# Altium PCB Disco Break Out Board.PcbDoc
Units mil, origin at the board's own origin, x right, y up, seen from the top; angles counter-clockwise.
Board outline 5620.27 x 3065.15 mil, 2 copper layers (Top Layer, Bottom Layer); 79 components, 55 nets, 280 pads, 123 vias.
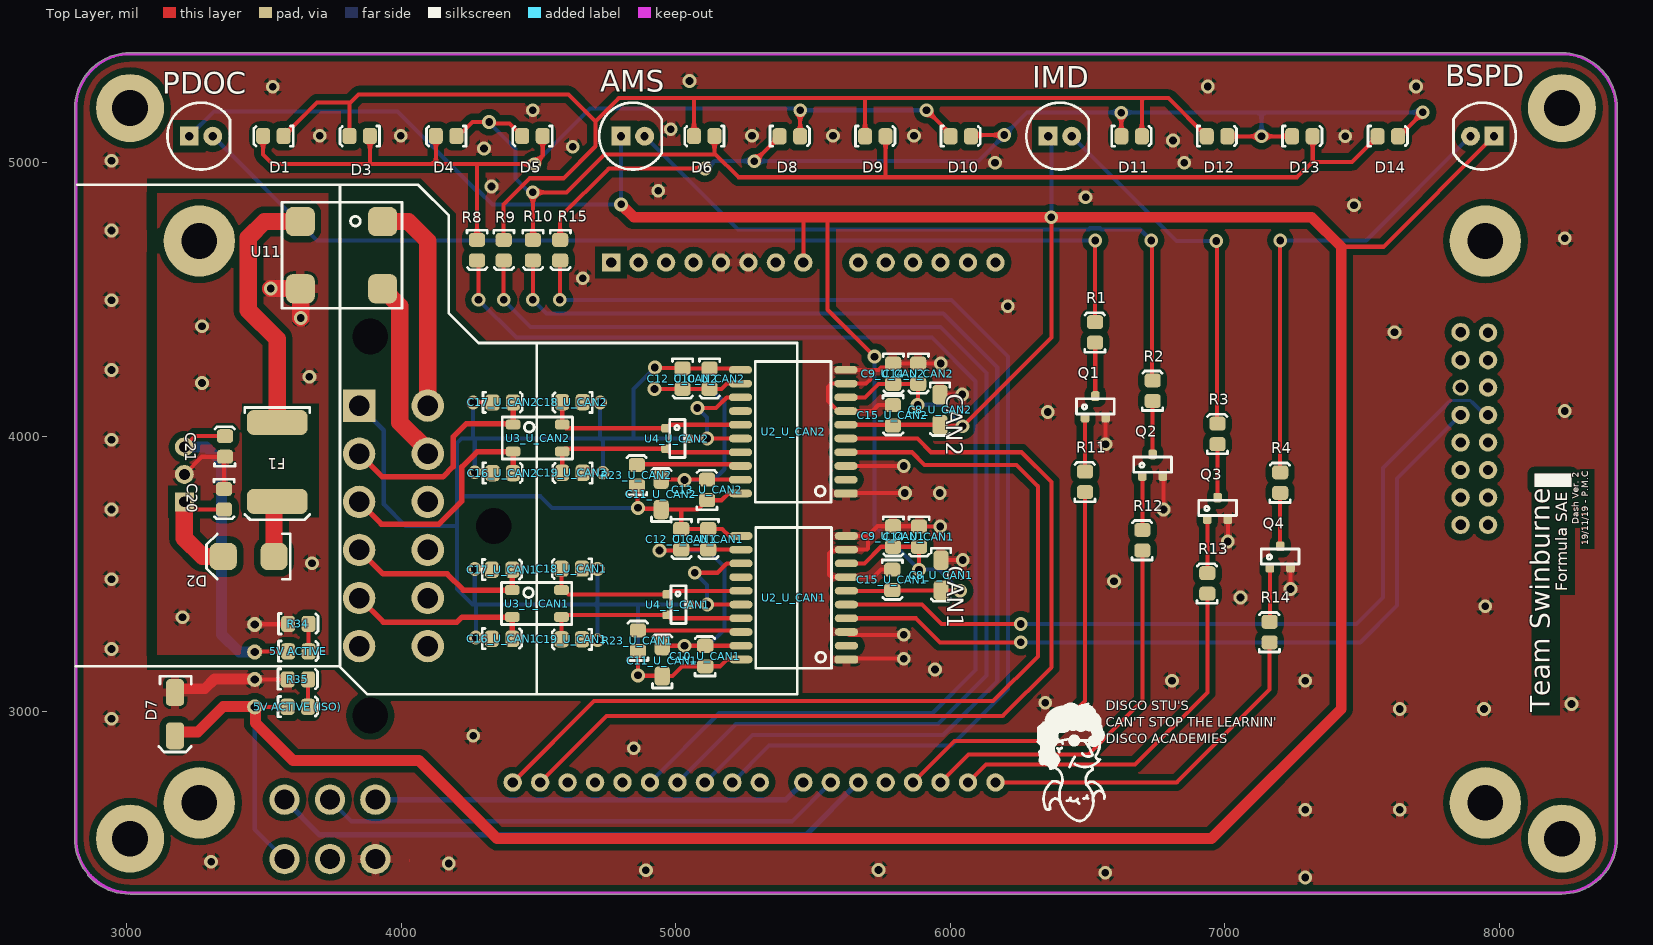
[diagram p0: Top Layer view]
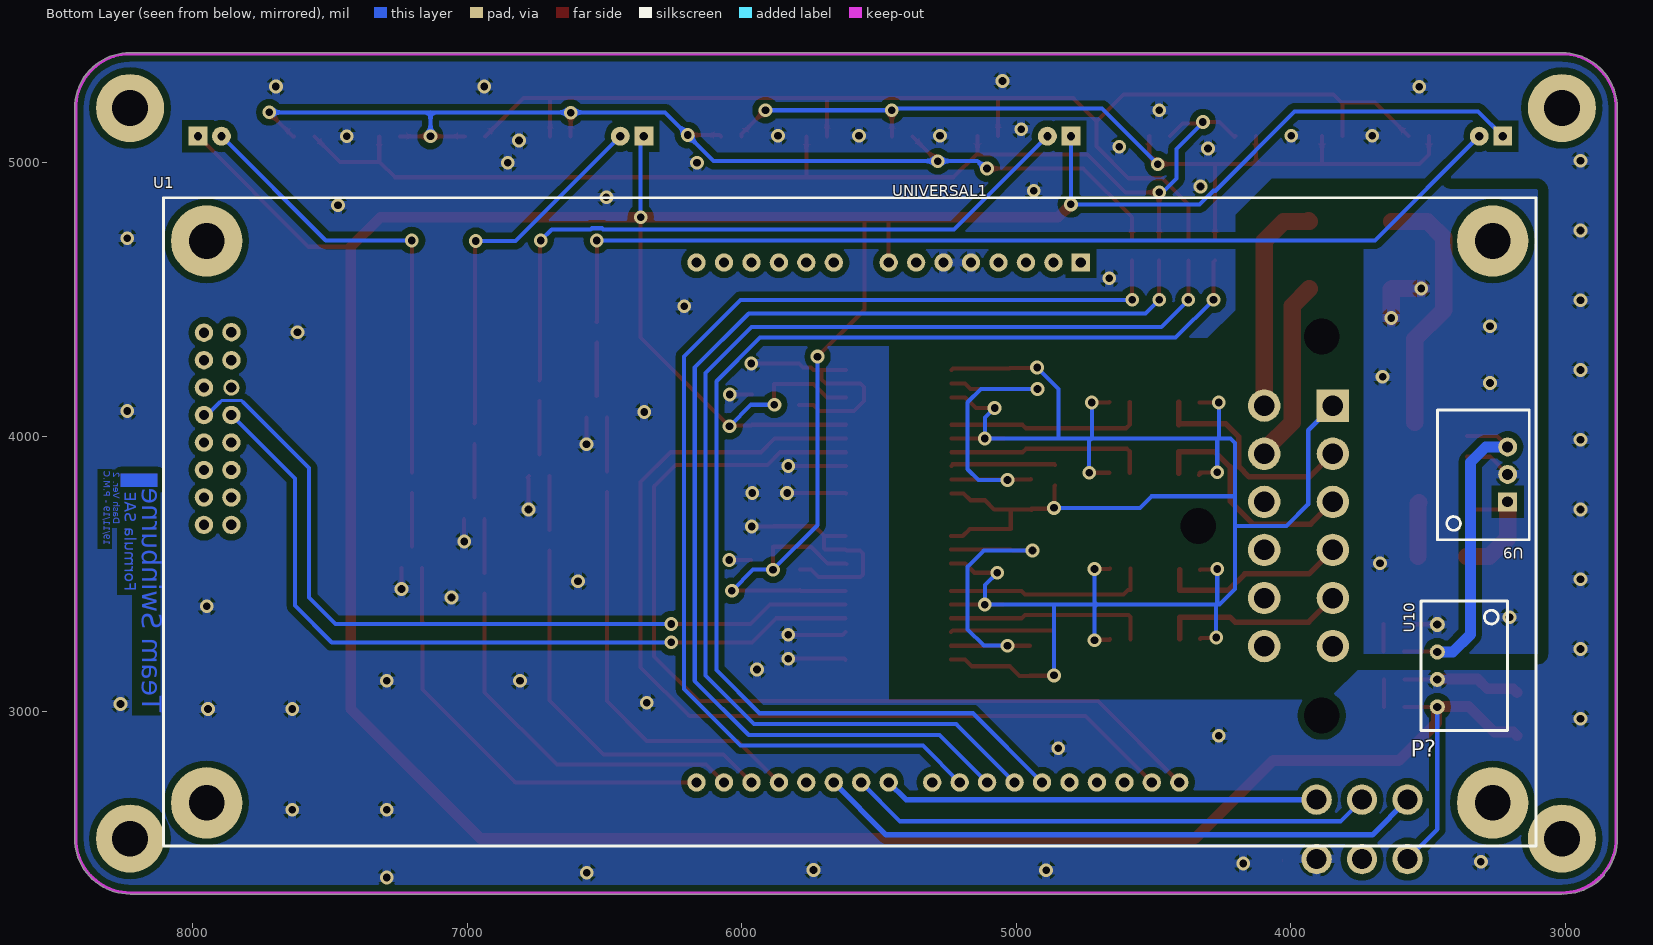
[diagram p1: Bottom Layer view, seen from below]

## Layer stack, top to bottom
Top Solder: solder mask 0.4, Solder Resist, Dk 3.5
Top Layer: signal copper 1.4
Dielectric 1: dielectric 12.6, FR-4, Dk 4.8
Bottom Layer: signal copper 1.4
Bottom Solder: solder mask 0.4, Solder Resist, Dk 3.5

## Board outline
2859.24,2398.85 cw(c2862.93,2402.24) 2858.35,2404.29 cw(c3011.81,2535.43) 2810.55,2519.76 cw(c2814.96,2522.15) 2809.95,2522.15 2809.95,5196.85 cw(c3011.81,5196.85) 3011.81,5398.72 8228.35,5398.72 cw(c8228.35,5196.85) 8429.6,5212.56 cw(c8425.2,5210.16) 8430.21,5210.16 8430.21,2535.43 cw(c8228.35,2535.43) 8228.35,2333.57 ccw(c8228.35,2338.58) 8228.43,2333.57 8228.35,2333.57 3011.81,2333.57 cw(c3011.81,2535.43) 3008.4,2333.6 cw(c3007.87,2338.58) 3007.87,2333.57 cw(c3007.87,2535.43)

## Design rules (kind name [scope] priority, off if disabled: settings)
Clearance [All] p1: gap=11.81 ignorepadtopadclearanceinfootprint=TRUE except(0: Arc-Hole Track-Hole SMDPad-Hole THPad-Hole Via-Hole Fill-Hole Poly-Hole Region-Hole Text-Hole; 23.62: Arc-Poly Track-Poly SMDPad-Poly THPad-Poly Via-Poly Fill-Poly; 39.37: Poly-Poly)
Height [All] p1: minheight=0 maxheight=1968.5 prefheight=500
PlaneConnect [All] p1: planeconnectstyle=Relief reliefexpansion=20 reliefentries=4 reliefconductorwidth=31.5 reliefairgap=10
PolygonConnect [All] p1: connectstyle=Relief reliefconductorwidth=31.5 reliefentries=4 polygonreliefangle="90 Angle" airgapwidth=10
RoutingVias [All] p1: holewidth=28 width=50 viastyle="Through Hole" minholewidth=28 minwidth=50 maxholewidth=28 maxwidth=50
SolderMaskExpansion [All] p1: expansion=4
Width [All] p1: maxlimit=118.11 minlimit=11.81 preferedwidth=19.68
28 further rules are at their usual default settings.

## Classes and differential pairs
channel class CAN: U_CAN1 U_CAN2
component class U_Power: "5V ACTIVE" "5V ACTIVE (ISO)" C20 C21 D2 D7 F1 R34 R35 U9 U11
component class U_CAN2: C8_U_CAN2 C9_U_CAN2 C10_U_CAN2 C11_U_CAN2 C12_U_CAN2 C13_U_CAN2 C14_U_CAN2 C15_U_CAN2 C16_U_CAN2 C17_U_CAN2 C18_U_CAN2 C19_U_CAN2 R23_U_CAN2 U2_U_CAN2 U3_U_CAN2 U4_U_CAN2
component class U_CAN1: C8_U_CAN1 C9_U_CAN1 C10_U_CAN1 C11_U_CAN1 C12_U_CAN1 C13_U_CAN1 C14_U_CAN1 C15_U_CAN1 C16_U_CAN1 C17_U_CAN1 C18_U_CAN1 C19_U_CAN1 R23_U_CAN1 U2_U_CAN1 U3_U_CAN1 U4_U_CAN1
component class "Top Level": AMS BSPD D1 D3 D4 D5 D6 D8 D9 D10 D11 D12 D13 D14 IMD P? PDOC Q1 Q2 Q3 Q4 R1 R2 R3 R4 R8 R9 R10 R11 R12 R13 R14 R15 U1

## Components (designator, comment, footprint, x,y, rotation, side; value= is the part's Value field where it differs from the comment)
"5V ACTIVE" "LED" "0805 LED" 3625.2,3218.59 r0 top
"5V ACTIVE (ISO)" "LED" "0805 LED" 3623.46,3016.53 r0 top
AMS "RED" "5MM LED" 4457.29,4984.25 r0 top
BSPD "RED" "5MM LED" 8324.39,5204.72 r180 top
C8_U_CAN1 "10nF" 1206 5966.54,3447.74 r270 top (schematic designator C8)
C8_U_CAN2 "10nF" 1206 5962.6,4050.79 r270 top (schematic designator C8)
C9_U_CAN1 "100nF" 0805 5792.73,3635.52 r270 top (schematic designator C9)
C9_U_CAN2 "100nF" 0805 5792.9,4228.67 r270 top (schematic designator C9)
C10_U_CAN1 "100nF" 0805 5106.11,3201.03 r90 top (schematic designator C10)
C10_U_CAN2 "100nF" 0805 5124.02,4210.53 r270 top (schematic designator C10)
C11_U_CAN1 "10nF" 1206 4950.79,3230.09 r90 top (schematic designator C11)
C11_U_CAN2 "10nF" 1206 4946.85,3836.52 r90 top (schematic designator C11)
C12_U_CAN1 "10uF" 0805 5020.72,3625.67 r270 top (schematic designator C12)
C12_U_CAN2 "10uF" 0805 5025.59,4210.53 r270 top (schematic designator C12)
C13_U_CAN1 "100nF" 0805 5119.14,3625.67 r270 top (schematic designator C13)
C13_U_CAN2 "100nF" 0805 5113.14,3805.99 r90 top (schematic designator C13)
C14_U_CAN1 "10uF" 0805 5886.76,3634.75 r270 top (schematic designator C14)
C14_U_CAN2 "10uF" 0805 5883.99,4228.67 r270 top (schematic designator C14)
C15_U_CAN1 "100nF" 0805 5789.37,3477.27 r270 top (schematic designator C15)
C15_U_CAN2 "100nF" 0805 5791.87,4076.68 r270 top (schematic designator C15)
C16_U_CAN1 "100pF" 0805 4367.57,3264.43 r0 top (schematic designator C16)
C16_U_CAN2 "100pF" 0805 4370.12,3867.79 r0 top (schematic designator C16)
C17_U_CAN1 "100pF" 0805 4367.57,3515.91 r0 top (schematic designator C17)
C17_U_CAN2 "100pF" 0805 4370.12,4125.19 r0 top (schematic designator C17)
C18_U_CAN1 "100pF" 0805 4620.56,3517.91 r180 top (schematic designator C18)
C18_U_CAN2 "100pF" 0805 4623.11,4124.36 r180 top (schematic designator C18)
C19_U_CAN1 "100pF" 0805 4620.56,3260.6 r180 top (schematic designator C19)
C19_U_CAN2 "100pF" 0805 4623.11,3866.96 r180 top (schematic designator C19)
C20 "10uF" 0805 3355.31,3771.26 r270 top
C21 "22uF" 0805 3356.51,3964.57 r90 top
D1 "Red" "0805 LED" 3533.4,5094.07 r180 top
D2 "SD560BTR" "SMB Diode" 3526.57,3562.99 r180 top
D3 "Red" "0805 LED" 3848.05,5094.07 r180 top
D4 "Red" "0805 LED" 4162.7,5094.07 r180 top
D5 "Red" "0805 LED" 4477.35,5094.07 r180 top
D6 "Red" "0805 LED" 5103.17,5094.07 r180 top
D7 "SMAZ5V6-13-F" "DI SMA Diode" 3175.62,3067.36 r270 top
D8 "Red" "0805 LED" 5416.26,5094.9 r0 top
D9 "Red" "0805 LED" 5727.44,5094.9 r0 top
D10 "Red" "0805 LED" 6038.62,5094.9 r0 top
D11 "Red" "0805 LED" 6660.98,5094.9 r0 top
D12 "Red" "0805 LED" 6972.16,5094.9 r0 top
D13 "Red" "0805 LED" 7283.34,5094.9 r0 top
D14 "Red" "0805 LED" 7594.52,5094.9 r0 top
F1 "0ZCF0200AF2C" 2920 3548.23,4051.18 r270 top
IMD "RED" "5MM LED" 6013.19,4984.25 r0 top
P? "39281063" 39281063 3740.16,2677.17 r180 bottom
PDOC "RED" "5MM LED" 2884.05,4984.25 r0 top
Q1 "BC817-16LT1" "ON SOT-23 BJT" 6528.32,4108.27 r0 top
Q2 "BC817-16LT1" "ON SOT-23 BJT" 6737.19,3895.67 r0 top
Q3 "BC817-16LT1" "ON SOT-23 BJT" 6973.82,3738.19 r0 top
Q4 "BC817-16LT1" "ON SOT-23 BJT" 7201.77,3561.02 r0 top
R1 "240R" 0805 6526.25,4380.12 r90 top
R2 "240R" 0805 6736.16,4167.52 r90 top
R3 "240R" 0805 6972.79,4010.04 r90 top
R4 "240R" 0805 7200.74,3832.88 r90 top
R8 "680R" 0805 4276.62,4678.66 r270 top
R9 "680R" 0805 4374.02,4678.66 r270 top
R10 "680R" 0805 4480.32,4678.66 r270 top
R11 "1k" 0805 6489.88,3835.48 r90 top
R12 "1k" 0805 6698.76,3622.88 r90 top
R13 "1k" 0805 6935.39,3465.4 r90 top
R14 "1k" 0805 7162.31,3288.24 r90 top
R15 "680R" 0805 4579.77,4678.66 r270 top
R23_U_CAN1 "0R" 0805 4861.17,3257.27 r90 top (schematic designator R23)
R23_U_CAN2 "0R" 0805 4857.24,3859.73 r90 top (schematic designator R23)
R34 "1.5k" 0805 3625.2,3318.59 r0 top
R35 "1.5k" 0805 3623.71,3116.53 r0 top
U1 "DISCO-F469NI" DISCO-F469NI 5606.72,3649.73 r270 bottom locked
U2_U_CAN1 "ADM3053" "AD SOIC-W 20" 5429.5,3412.96 r90 top (schematic designator U2)
U2_U_CAN2 "ADM3053" "AD SOIC-W 20" 5427.69,4017.92 r90 top (schematic designator U2)
U3_U_CAN1 "B82787C0104H002" "TDK 4-PC Pad" 4404.5,3441.02 r0 top (schematic designator U3)
U3_U_CAN2 "B82787C0104H002" "TDK 4-PC Pad" 4407.05,4043.89 r0 top (schematic designator U3)
U4_U_CAN1 "NUP2105L" "ON SOT-23" 5007.87,3387.8 r270 top (schematic designator U4)
U4_U_CAN2 "NUP2105L" "ON SOT-23" 5003.94,3992.92 r270 top (schematic designator U4)
U9 "R-78C5.0-1.0" "RECOM 3-SIP" 3209.65,3762.2 r90 bottom
U10 "RI-0505S" "RECOM 4-SIP" 3465.98,3165.2 r270 bottom
U11 "744272121" "Wurth 4-PC Pad" 3632.09,4538.58 r0 top
UNIVERSAL1 "DT13-12P" DT13-12P 4096.46,4112.6 r270 bottom

## Footprints (in the part's own frame and the unit in brackets; to place one, negate y for a bottom-side part, rotate by r counter-clockwise, add the part's x,y. Pads: shape width x height; smd on the part's side, far side on the other; paste and mask are expansions set on the pad)
"5MM LED" [mm]
  rect 1.75x1.75 hole 0.762: A(8.725,2.8)
  round 1.75 hole 0.762: K(10.9,2.8)
  silkscreen extent 6.7,-0.3 12.48,5.9, body extent 6.85,-0.15 12.36,5.75, height 8.9
0805 [mil]
  rrect50% 51.18x59.06 smd: 1(-37.87,-1.03) 2(36.93,-1.03)
  silkscreen extent -73,-37 71,37, body extent -39,-26 39,26, height 29
"0805 LED" [mil]
  rrect50% 51.18x59.06 smd: A(-37.87,-1.03) K(36.93,-1.03)
  silkscreen extent -73,-37 71,37, body extent -43,-25 35,25, height 39
1206 [mm]
  rrect50% 1.8x1.4 smd: 1(-2.6,0) 2(0.2,0)
  silkscreen extent -3.7,-0.9 1.2,0.9, body extent -2.9,-0.9 0.5,0.9, height 1.85
2920 [mm]
  rrect50% 2.3x5.6 smd: 1(0,0) 2(7.3,0)
  silkscreen extent -1.4,-3 9,3, body extent -0.34,-2.81 7.64,2.81, height 1.14
39281063 [mm]
  round 2.8 hole 1.85: 1(4.2,-5.5) 2(0,-5.5) 3(-4.2,-5.5) 4(4.2,0) 5(0,0) 6(-4.2,0)
  body extent -7.27,-7.8 7.33,3.2, height 12.8
"AD SOIC-W 20" [mil]
  rrect50% 28x85 smd: 1(-225,-192.02)
  oval 28x85 smd: 2(-175,-192.02) 3(-125,-192.02) 4(-75,-192.02) 5(-25,-192.02) 6(25,-192.02) 7(75,-192.02) 8(125,-192.02) 9(175,-192.02) 10(225,-192.02) 11(225,192.02) 12(175,191.98) 13(125,191.98) 14(75,191.98) 15(25,191.98) 16(-25,191.98) 17(-75,191.98) 18(-125,191.98) 19(-175,191.98) 20(-225,191.98)
  silkscreen extent -257,-138 256,138, body extent -260,-210 260,210, height 105
"DI SMA Diode" [mm]
  rrect50% 2.5x1.7 smd: A(0,0) K(4,0)
  silkscreen extent -1.5,-1.5 5.5,1.5, body extent -0.8,-1.46 4.79,1.46, height 2.35
DISCO-F469NI [mm]
  round 6.6 hole 3.3: 0(-27,-59.5) 0(-27,59.5) 0(25,-59.5) 0(25,59.5)
  rect 1.7x1.7 hole 0.95: 1(-25,21.391)
  round 1.7 hole 0.95: 2(-25,18.851) 3(-25,16.311) 4(-25,13.771) 5(-25,11.231) 6(-25,8.691) 7(-25,6.151) 8(-25,3.611) 9(-25,-1.469) 10(-25,-4.009) 11(-25,-6.549) 12(-25,-9.089) 13(-25,-11.629) 14(-25,-14.169) 15(23.103,30.499) 16(23.103,27.959) 17(23.103,25.419) 18(23.103,22.879) 19(23.103,20.339) 20(23.103,17.799) 21(23.103,15.259) 22(23.103,12.719) 23(23.103,10.179) 24(23.103,7.639) 25(23.103,3.611) 26(23.103,1.071) 27(23.103,-1.469) 28(23.103,-4.009) 29(23.103,-6.549) 30(23.103,-9.089) 31(23.103,-11.629) 32(23.103,-14.169) 33(-0.727,-57.213) 34(-3.267,-57.213) 35(-5.807,-57.213) 36(-8.347,-57.213) 37(-10.887,-57.213) 39(-15.967,-57.213) 40(-18.558,-57.213) 41(-18.507,-59.753) 42(-15.967,-59.753) 43(-13.427,-59.753) 44(-10.887,-59.753) 45(-8.347,-59.753) 46(-5.807,-59.753) 47(-3.267,-59.753) 48(-0.727,-59.753)
  round 1.5 hole 0.95: 38(-13.427,-57.213)
  silkscreen extent -31,-63.5 29,63.5, body extent -31.1,-64.69 29.95,63.89
DT13-12P [mm]
  round 3 hole 3.3 unplated: 0(-6.405,5.33) 0(11.135,-6.1) 0(28.675,5.33)
  rect 3x3 hole 1.9: 1(0,6.35)
  round 3 hole 1.9: 2(4.45,6.35) 3(8.9,6.35) 4(13.35,6.35) 5(17.8,6.35) 6(22.25,6.35) 7(22.25,0) 8(17.8,0) 9(13.35,0) 10(8.9,0) 11(4.45,0) 12(0,0)
  body extent -18.6,-34.7 40.6,9.5, height 37.63
"ON SOT-23" [mm] "NUP2105L"
  rrect50% 0.8x0.9 smd: 1(-0.95,-1) 2(0.95,-1) 3(0,1)
  silkscreen extent -1.75,-0.65 1.75,0.75, body extent -1.5,-1.27 1.5,1.28, height 1
"ON SOT-23 BJT" [mm] "NUP2105L"
  rrect50% 0.8x0.9 smd: B(-0.95,-1) C(0,1) E(0.95,-1)
  silkscreen extent -1.75,-0.65 1.75,0.75, body extent -1.5,-1.27 1.5,1.28, height 1
"RECOM 3-SIP" [mm] "12 to 42 Vdc In, 9 Vdc Out"
  rect 1.75x1.75 hole 1: 1(0,0)
  round 1.75 hole 1: 2(2.54,0) 3(5.08,0)
  silkscreen extent -3.5,-2 8.5,6.5, body extent -3.26,-2.02 8.34,6.48, height 11.41
"RECOM 4-SIP" [mil]
  round 55 hole 30: 1(-150,0) 2(-50,0) 3(50,0) 4(150,0)
  silkscreen extent -236,-59 236,256, body extent -225,-51 227,249, height 122
"SMB Diode" [mm]
  rrect50% 2.5x2.5 smd: A(-0.25,0) K(4.45,0)
  silkscreen extent -1.75,-2.1 6,2.1, body extent -0.69,-1.97 4.9,1.97, height 2.5
"TDK 4-PC Pad" [mm]
  rrect50% 1.35x0.9 smd: 1(0,0) 2(0,-2.5) 3(4.55,-2.5) 4(4.55,0)
  silkscreen extent -1,-3.2 5.5,0.7, body extent -0.02,-2.82 4.48,0.38, height 2.8
"Wurth 4-PC Pad" [mm]
  rrect50% 2.7x2.7 smd: 1(7.62,6.22) 2(0,6.22) 3(0,0) 4(7.62,0)
  silkscreen extent -1.7,-1.8 9.4,8, body extent -1.19,-1.24 8.81,7.46, height 6.2

## Part data
"5V ACTIVE" "5V ACTIVE (ISO)": library part SML-210LTT86, "Red LED Indication - Discrete 1.75V 0805 (2012 Metric)", Colour=Red, Digikey Part Number=511-1286-1-ND, Manufacturer="ROHM Semiconductor", Digikey Link=https://www.digikey.com/product-detail/en/rohm-semiconductor/SML-210LTT86/511-1286-1-ND/637099, Part Number=SML-210LTT86
AMS BSPD IMD PDOC: library part C503B-GAN-CB0F0791, "LED RED CLEAR 5MM ROUND T/H", Colour=Green, Digikey Part Number=C503B-GAN-CB0F0791-ND, Manufacturer="Cree Inc.", Digikey Link=https://www.digikey.com/products/en?mpart=C503B-GAN-CB0F0791&v=90&fbclid=IwAR2JUDlssEKQKztQKB3h34IlXIXn-Voov26K1DpWHwQ6mgzekaFZMifRLJU, Part Number=C503B-GAN-CB0F0791
C8_U_CAN1 C8_U_CAN2 C11_U_CAN1 C11_U_CAN2: library part GCM3195C2A103JA16D, Digikey Part Number=490-4978-2-ND, Manufacturer=muRata, Rated Voltage=100V, Tolerance=5%, Material=Ceramic, Part Number=GCM3195C2A103JA16D
C9_U_CAN1 C9_U_CAN2 C10_U_CAN1 C10_U_CAN2 C13_U_CAN1 C13_U_CAN2 C15_U_CAN1 C15_U_CAN2: library part GCM21BR71E104KA37L, Manufacturer=muRata, Rated Voltage=25V, Tolerance=10%, Material=X7R, Part Number=GCM21BR71E104KA37L
C12_U_CAN1 C12_U_CAN2 C14_U_CAN1 C14_U_CAN2 C20: library part GRM21BR6YA106KE43L, Digikey Part Number=490-10514-6-ND, Manufacturer=muRata, Rated Voltage=50V, Tolerance=10%, Material=X5R, Part Number=GRM21BR6YA106KE43L
C16_U_CAN1 C16_U_CAN2 C17_U_CAN1 C17_U_CAN2 C18_U_CAN1 C18_U_CAN2 C19_U_CAN1 C19_U_CAN2: library part GCM21B5C1H101JA37L, Manufacturer=muRata, Rated Voltage=50V, Tolerance=5%, Material=C0G, Part Number=GCM21B5C1H101JA37L
C21: library part GRM21BR61A226ME51L, Digikey Part Number=490-10511-1-ND, Manufacturer=muRata, Rated Voltage=10V, Tolerance=20%, Material=X5R, Part Number=GRM21BR61A226ME51L
D1 D3 D4 D5 D6 D8 D9 D10 D11 D12 D13 D14: library part SML-210LTT86, "Red LED Indication - Discrete 1.75V 0805 (2012 Metric)", Digikey Part Number=511-1286-1-ND, Manufacturer="ROHM Semiconductor", Colour=Red, Digikey Link=https://www.digikey.com/product-detail/en/rohm-semiconductor/SML-210LTT86/511-1286-1-ND/637099, Part Number=SML-210LTT86
D2: "1.2V_F 600V 5A SMB", Digikey Part Number=1655-1530-2-ND, Manufacturer="SMC Diode Solutions", Digikey Link=https://www.digikey.com/product-detail/en/smc-diode-solutions/SD560BTR/1655-1530-2-ND/6022620, Part Number=SD560BTR
D7: "DIODE ZENER 5.6V 1W SMA", Digikey Part Number=SMAZ5V6-FDICT-ND, Manufacturer="Diodes Inc", Digikey Link=https://www.digikey.com/product-detail/en/diodes-incorporated/SMAZ5V6-13-F/SMAZ5V6-FDICT-ND/755500, Part Number=SMAZ5V6-13-F
F1: "SMD 24V 2A Fuse", Digikey Part Number=507-1749-2-ND, Manufacturer="Bel Fuse Inc", Digikey Link=https://www.digikey.com/product-detail/en/bel-fuse-inc/0ZCF0200AF2C/507-1749-2-ND/4156090, Part Number=0ZCF0200AF2C
P?: "Mini-Fit VERT 3x2", Digikey Part Number=WM3802-ND, Angle=0, Contact=Gold, Digikey Link=https://www.digikey.com/product-detail/en/molex/0039281063/WM3802-ND/61404, Flange=No, Part Number=39281063, Pitch=4.20mm, Positions=6, Row Spacing=4.2mm
Q1 Q2 Q3 Q4: "300mW  BJT NPN Transistor", Digikey Part Number=BC817-16LT1OSTR-ND, Manufacturer="ON Semiconductor", Digikey Link=https://www.digikey.com.au/product-detail/en/on-semiconductor/BC817-16LT1/BC817-16LT1OSTR-ND/606178, Part Number=BC817-16LT1
R1 R2 R3 R4: library part RC0805FR07240RL, Manufacturer=YAGEO, Rated Voltage=0.125W, Tolerance=0.01, Material=FR-07, Part Number=RC0805FR07240RL, Qty=50
R8 R9 R10 R15: library part RC0805FR07680RL, Manufacturer=YAGEO, Rated Voltage=0.125W, Tolerance=0.01, Material=FR-07, Part Number=RC0805FR07680RL, Qty=50
R11 R12 R13 R14: library part RC0805FR071KL, Manufacturer=YAGEO, Rated Voltage=0.125W, Tolerance=0.01, Material=FR-07, Part Number=RC0805FR071KL, Qty=50
R23_U_CAN1 R23_U_CAN2: library part RC0805FR070RL, Manufacturer=YAGEO, Rated Voltage=0.125W, Tolerance=0.01, Material=FR-07, Part Number=RC0805FR070RL, Qty=50
R34 R35: library part RC0805FR071K5L, Manufacturer=YAGEO, Rated Voltage=0.125W, Tolerance=0.01, Material=FR-07, Part Number=RC0805FR071K5L, Qty=50
U1: "STM32F469 Discovery STM32F4 ARM® Cortex®-M4 MCU 32-Bit Embedded Evaluation Board  (The Disco 69 lol)", Digikey Part Number=497-15990-ND, Manufacturer=STMicroelectronics, Digikey Link=https://www.digikey.com/product-detail/en/stmicroelectronics/STM32F469I-DISCO/497-15990-ND/5428811, Part Number=DISCO-F469NI
U2_U_CAN1 U2_U_CAN2: "Isolated CAN Transceiver", Digikey Part Number=ADM3053BRWZ-ND, Manufacturer="Analogue Devices", Digikey Link=https://www.digikey.com/product-detail/en/analog-devices-inc/ADM3053BRWZ/ADM3053BRWZ-ND/2709332, Part Number=ADM3053
U3_U_CAN1 U3_U_CAN2: "Common mode choke intended for CANBUS 150mA 50V)", Digikey Part Number=495-4598-2-ND, Manufacturer="EPCOS (TDK)", Digikey Link=https://www.digikey.com/product-detail/en/epcos-tdk/B82787C0104H002/495-4598-2-ND/3680998, Part Number=B82787C0104H002
U4_U_CAN1 U4_U_CAN2: "Dual Line CAN Bus Protector", Digikey Part Number=NUP2105LT1GOSCT-ND, Manufacturer="ON Semiconductor", Digikey Link=https://www.digikey.com/product-detail/en/on-semiconductor/NUP2105LT1G/NUP2105LT1GOSCT-ND/1485001, Part Number=NUP2105L
U9: "CONV DC/DC 1A 5V OUT SIP VERT", Digikey Part Number=945-1395-5-ND, Manufacturer=Recom, Digikey Link=https://www.digikey.com.au/product-detail/en/recom-power/R-78C5.0-1.0/945-1395-5-ND/2652148, Part Number=R-78C5.0-1.0
U10: "5V DC-DC Converter (2W)", Digikey Part Number=945-1189-ND, Manufacturer=Recom, Digikey Link=https://www.digikey.com/product-detail/en/recom-power/RI-0505S/945-1189-ND/2256369, Part Number=RI-0505S
U11: "Common Mode Choke 120UH 2.5A 2LN 460 OHM SMD", Digikey Part Number=732-1489-2-ND, Manufacturer="Wurth Electronics Inc", Digikey Link=https://www.digikey.com/product-detail/en/wurth-electronics-inc/744272121/732-1489-2-ND/1638893, Part Number=744272121
UNIVERSAL1: library part DT13-12P[[/\]]DT13-12P, Digikey Part Number=1734-1451-ND, Angle=90, Contact=Nickel, Digikey Link=https://www.digikey.com.au/product-detail/en/te-connectivity-deutsch-connectors/DT13-12PA/1734-1451-ND/7220123, Flange=Yes, Part Number=DT13-12P, Pitch=4.44mm, Positions=12, Row Spacing=6.35mm

## Free pads (board coordinates)
  round 248.03 hole 129.92: 4(3011.81,2535.43) 4(3011.81,5196.85) 4(8228.35,2535.43) 4(8228.35,5196.85)

## Via types
v1: diameter 50, hole 28, Top Layer to Bottom Layer, 123 vias

## Nets (pads, with @x,y where several pads share a name; then routed paths per layer and width w, separated by ;. In a path a pad name is that pad's centre, name@x,y a point inside that pad or via, vN(x,y) a via of type N, cw(c..) or ccw(c..) an arc to the next point about the centre after c; other vN are vias at no path point)
0V: C20.1 C21.1 R34.1 U9.2 U10.1 U11.3 | length 637.6
  Top Layer w15: U9.2 3274.14,3926.69 C21.1 3354.28,3923.43 C20.1 ; U10.1@3464.99,3321.3 U10.1@3469.72,3316.58 ; U10.1 3467.16,3316.38 3586.15,3316.38 R34.1
  Top Layer w62.99: v1(3524.61,4539.37) 3631.3,4539.37 U11.3 3633.86,4536.81 v1(3633.86,4432.09)
  other v1: 3202.89,3341.95 3674.37,3538.39 3274.14,4195.28 3665.22,4217.53 3274.14,4401.51
"0V (ISO)": C8_U_CAN1.1 C8_U_CAN2.1 C9_U_CAN1.1 C9_U_CAN2.1 C14_U_CAN1.1 C14_U_CAN2.1 C15_U_CAN1.1 C15_U_CAN2.1 D7.A P?.3 Q1.E Q2.E Q3.E Q4.E R35.1 U1.5 U1.6 U2_U_CAN1.1 U2_U_CAN1.3 U2_U_CAN1.7 U2_U_CAN1.9 U2_U_CAN1.10 U2_U_CAN2.1 U2_U_CAN2.3 U2_U_CAN2.7 U2_U_CAN2.9 U2_U_CAN2.10 U10.3 | length 3563.8
  Top Layer w15: U10.3 3466.13,3115.35 3585.69,3115.35 R35.1 ; U2_U_CAN2.1 5621.08,3794.29 v1(5834.65,3794.29) ; U2_U_CAN2.3 v1(5830.71,3892.92) ; U2_U_CAN2.10 5619.88,4242.76 5708.66,4242.76 ; U2_U_CAN1.1 5622.47,3187.01 5626.4,3190.94 v1(5830.71,3190.94) ; U2_U_CAN1.3 5631.92,3277.56 v1(5830.71,3277.56) ; U2_U_CAN1.10 5698.98,3637.96 5700.79,3639.76 ; C15_U_CAN1.1 5747.07,3515.14 5719.89,3487.96 U2_U_CAN1.7 5567.37,3487.96 5558.58,3496.75 5558.58,3574.61 5569.44,3585.47 5619.03,3585.47 U2_U_CAN1.9 5696.06,3587.96 5700.79,3592.68 5700.79,3639.76 ; C15_U_CAN2.1 5737.58,4114.55 5715.95,4092.92 U2_U_CAN2.7 5591.57,4092.92 5554.65,4129.84 5554.65,4180.82 5566.74,4192.92 U2_U_CAN2.9 5692.91,4192.92 5708.66,4208.67 5708.66,4242.76 ; C8_U_CAN2.1 v1(6043.9,4153.16) ; v1(5963.21,3672.62) C14_U_CAN1.1 5884.96,3673.39 C9_U_CAN1.1 5734.42,3673.39 5700.79,3639.76 ; v1(5964.76,4266.54) C14_U_CAN2.1 C9_U_CAN2.1 5777.05,4251.72 5746.9,4251.72 5737.94,4242.76 5708.66,4242.76 ; C8_U_CAN1.1 v1(6045.39,3550.1) ; v1(6565.72,3972.21) Q1.E ; Q2.E 6780.51,3850.38 6776.57,3846.44 v1(6776.57,3734.25) ; v1(7011.22,3617.72) Q3.E ; v1(7239.17,3444.88) Q4.E
  Top Layer w39.37: D7.A 3189.4,3081.14 3283.89,3081.14 3319.32,3116.58 U10.3@3464.99,3116.58
  other v1: 7293.31,2393.77 6564.96,2411.42 4891.07,2419.92 5738.19,2421.26 4173.23,2444.88 3307.09,2451.39 7293.31,2640.15 7637.8,2640.15 4846.68,2864.17 4261.81,2909.65 2944.58,2971.74 7637.8,3007.52 7944.29,3007.52 8262.88,3025.61 6345.91,3030.55 6807.94,3110.24 7293.31,3110.24 5944.2,3151.32 2944.58,3225.89 7949.24,3381.39 7057.09,3413.44 6596.29,3472.64 2944.58,3480.04 2944.58,3734.19 5961.85,3794.29 2944.58,3988.35 6355.42,4089.43 8238.19,4093.26 2944.58,4242.5 7618.11,4380.35 6209.54,4474.93 2944.58,4496.65 4661.04,4576.41 8238.19,4722.8 2944.58,4750.8 7470.47,4842.89 6492.97,4872.05 4935.78,4895.44 4328.51,4911.19 6163.16,4997.8 6852.13,4997.8 2944.58,5004.95 4301.18,5049.21 4625,5056.1 6811.02,5078.74 7439.11,5093.87 3702.53,5096.23 3997.8,5096.23 5277.33,5096.23 5572.61,5096.23 5867.88,5096.23 4982.06,5119.85 4479.28,5188.54 3531.28,5274.23 6937.9,5275.59 7697.02,5275.59 5049.66,5295.28
5V: "5V ACTIVE.A" C21.2 U9.3 U10.2 | length 1219.7
  Top Layer w15: U9.3 3248.94,4001.49 C21.2 ; U10.2 3467.16,3216.38 3586.15,3216.38 3587.33,3217.56
  Bottom Layer w39.37: U9.3 3289.76,3962.2 3345.47,3906.5 3345.47,3279.29 3409.56,3215.2 U10.2
"5V (ISO)": "5V ACTIVE (ISO).A" AMS.A BSPD.A C8_U_CAN1.2 C8_U_CAN2.2 C9_U_CAN1.2 C9_U_CAN2.2 C14_U_CAN1.2 C14_U_CAN2.2 C15_U_CAN1.2 C15_U_CAN2.2 D7.K IMD.A P?.1 PDOC.A U1.8 U2_U_CAN1.6 U2_U_CAN1.8 U2_U_CAN2.6 U2_U_CAN2.8 U10.4 | length 17274.1
  Top Layer w15: U10.4@3464.99,3016.58 U10.4@3466.22,3015.35 ; U10.4 3466.13,3015.35 U10.4@3466.22,3015.35 ; 3585.58,3015.5 3585.43,3015.35 U10.4@3466.22,3015.35 ; U1.8 5464.57,4799.21 ; 5553.27,4799.21 5553.27,4461.92 v1(5723.85,4291.34) ; U2_U_CAN1.8@5619.03,3535.47 U2_U_CAN1.8 5687.73,3537.96 5748.36,3598.59 C9_U_CAN1.2 5884.96,3598.59 C14_U_CAN1.2 v1(5885.73,3515.12) ; U2_U_CAN2.6 C8_U_CAN2.2 5965.36,4040.16 6041.53,4040.16 v1(6044.29,4037.4) 6368.11,4361.22 v1(6368.11,4799.21) ; U2_U_CAN2.8 5689.79,4142.92 5738.61,4191.74 C9_U_CAN2.2 C14_U_CAN2.2 5881.93,4190.72 5881.93,4117.17 v1(5880.91,4116.14) ; U2_U_CAN1.6 5785.96,3437.96 C15_U_CAN1.2 5788.81,3439.87 C8_U_CAN1.2 5967.49,3438.91 6034.82,3438.91 v1(6035.78,3437.96) ; 7424.21,4691.41 7577.81,4691.41 BSPD.A
  Top Layer w39.37: D7.K 3189.4,2923.66 3258.18,2923.66 3351.09,3016.58 U10.4@3464.99,3016.58 ; U10.4 3468.97,3012.21 3468.97,2956.4 3605.87,2819.5 4064.66,2819.5 4348.73,2535.43 6952.13,2535.43 7424.21,3007.52 7424.21,4691.41 7316.41,4799.21 v1(6368.11,4799.21) 5553.27,4799.21 5464.57,4799.21 4847.42,4799.21 v1(4800.79,4845.84)
  Bottom Layer w15: PDOC.A 3317.12,5184.06 3985.89,5184.06 4274.5,4895.44 4281.59,4895.44 4331.58,4845.45 4798.95,4845.45 4799.34,4845.84 v1(4800.79,4845.84) AMS.A ; U10.4 3465.98,2569.46 P?.1 ; v1(5723.85,4291.34) 5723.85,3677 v1(5885.73,3515.12) 5958.61,3515.12 v1(6035.78,3437.96) ; v1(5880.91,4116.14) 5965.55,4116.14 v1(6044.29,4037.4) ; IMD.A 6368.11,5083.07 v1(6368.11,4799.21)
AMS: R12.1 U1.30 | length 1405.4
  Top Layer w15: U1.30 6066.39,2841.98 6503.39,2841.98 6699.79,3038.37 R12.1
BSPD: R14.1 U1.32 | length 1310.7
  Top Layer w15: U1.32 6824.8,2740.16 7163.34,3078.69 R14.1
C1: R8.2 U1.20 | length 4488
  Top Layer w15: R8.2 4281.5,4635.83 v1(4281.5,4498.03)
  Bottom Layer w15: v1(4281.5,4498.03) 4419.29,4360.24 5933.73,4360.24 6092.52,4201.44 6092.52,3149.61 5935.04,2992.13 5157.94,2992.13 U1.20
C2: R9.2 U1.21 | length 4402.4
  Top Layer w15: v1(4372.98,4498.03) R9.2
  Bottom Layer w15: v1(4372.98,4498.03) 4471.41,4399.61 5964.57,4399.61 6131.89,4232.28 6131.89,3129.92 5954.72,2952.76 5218.57,2952.76 U1.21
C3: R10.2 U1.22 | length 4297.9
  Top Layer w15: v1(4479.28,4498.03) R10.2
  Bottom Layer w15: v1(4479.28,4498.03) 4528.5,4448.82 5974.41,4448.82 6171.26,4251.97 6171.26,3110.24 5974.41,2913.39 5279.2,2913.39 U1.22
C4: R15.2 U1.23 | length 4220.3
  Top Layer w15: v1(4576.77,4498.03) 4577.76,4499.02 4577.76,4640.75 R15.2
  Bottom Layer w15: v1(4576.77,4498.03) 6003.94,4498.03 6210.63,4291.34 6210.63,3080.71 6003.94,2874.02 5339.83,2874.02 U1.23
CAN1_RX: U1.37 U2_U_CAN1.4 | length 2887.8
  Top Layer w15: U2_U_CAN1.4 5874.64,3337.96 5962.23,3250.36 v1(6256.68,3250.36)
  Bottom Layer w15: v1(6256.68,3250.36) 7493.55,3250.36 7627.95,3384.77 7627.95,3847.12 U1.37
CAN1_TX: U1.44 U2_U_CAN1.5 | length 3002.9
  Top Layer w15: U2_U_CAN1.5 5621.68,3387.8 5897.64,3387.8 5968.5,3316.93 v1(6256.68,3316.93)
  Bottom Layer w11.81: 7814.96,4124.02 7822.06,4131.11 7895.26,4131.11 7902.35,4124.02
  Bottom Layer w15: v1(6256.68,3316.93) 7480.31,3316.93 7576.77,3413.39 7576.77,3885.83 7814.96,4124.02 ; 7902.35,4124.02 7948.01,4078.35 U1.44
CAN1H: C16_U_CAN1.2 U3_U_CAN1.2 UNIVERSAL1.5 | length 681.5
  Top Layer w20: UNIVERSAL1.5 3934.45,3323.82 4202.76,3323.82 4221.53,3342.6 U3_U_CAN1.2 C16_U_CAN1.2
CAN1L: C17_U_CAN1.2 U3_U_CAN1.1 UNIVERSAL1.4 | length 692.4
  Top Layer w20: UNIVERSAL1.4 3933.35,3500.12 4167.21,3500.12 4226.3,3441.02 U3_U_CAN1.1 C17_U_CAN1.2
CAN2_RX: U1.15 U2_U_CAN2.4 | length 3473.5
  Top Layer w15: U1.15 4702,3036.19 6156.27,3036.19 6318.9,3198.82 6318.9,3818.9 6241.14,3896.65 5906.5,3896.65 5860.23,3942.92 U2_U_CAN2.4
CAN2_TX: U1.16 U2_U_CAN2.5 | length 3524.5
  Top Layer w15: U1.16 4748.09,2982.28 6190.94,2982.28 6368.11,3159.45 6368.11,3833.87 6259.06,3942.92 5930.11,3942.92 5880.11,3992.92 U2_U_CAN2.5
CAN2H: C16_U_CAN2.2 U3_U_CAN2.2 UNIVERSAL1.3 | length 855
  Top Layer w20: UNIVERSAL1.3 3927.32,3681.34 4137.05,3681.34 4220.91,3765.2 4220.91,3889.47 4276.9,3945.46 U3_U_CAN2.2 C16_U_CAN2.2
CAN2L: C17_U_CAN2.2 U3_U_CAN2.1 UNIVERSAL1.2 | length 819.4
  Top Layer w20: UNIVERSAL1.2 3930.7,3853.16 4151.38,3853.16 4188.98,3890.75 4188.98,3999.02 4236.8,4046.84 U3_U_CAN2.1@4407.05,4046.84 ; U3_U_CAN2.1 C17_U_CAN2.2
CANS: C10_U_CAN1.1 C10_U_CAN2.1 C11_U_CAN1.1 C11_U_CAN2.1 C12_U_CAN1.1 C12_U_CAN2.1 C13_U_CAN1.1 C13_U_CAN2.1 C16_U_CAN1.1 C16_U_CAN2.1 C17_U_CAN1.1 C17_U_CAN2.1 C18_U_CAN1.1 C18_U_CAN2.1 C19_U_CAN1.1 C19_U_CAN2.1 R23_U_CAN1.1 R23_U_CAN2.1 U2_U_CAN1.11 U2_U_CAN1.13 U2_U_CAN1.16 U2_U_CAN1.20 U2_U_CAN2.11 U2_U_CAN2.13 U2_U_CAN2.16 U2_U_CAN2.20 U4_U_CAN1.3 U4_U_CAN2.3 UNIVERSAL1.1 | length 8462.4
  Top Layer w15: v1(4261.81,4124.02) 4261.88,4124.09 4332.18,4124.09 C17_U_CAN2.1 ; v1(4267.72,3517.72) 4269.13,3516.3 4328.28,3516.3 C17_U_CAN1.1 ; v1(4267.72,3870.08) 4269.38,3868.42 4330.59,3868.42 C16_U_CAN2.1 ; v1(4271.65,3267.72) 4273.81,3265.56 4327.54,3265.56 C16_U_CAN1.1 ; C16_U_CAN2.1@4329.72,3863.98 C16_U_CAN2.1@4333.66,3860.05 ; C19_U_CAN1.1 4660.31,3259.75 4712.69,3259.75 v1(4714.57,3257.87) ; C18_U_CAN1.1 4659.66,3517.72 v1(4714.57,3517.72) ; C19_U_CAN2.1 4661.04,3868.05 4734.19,3868.05 v1(4734.25,3868.11) ; C18_U_CAN2.1 4662.36,4124.02 v1(4724.41,4124.02) ; R23_U_CAN2.1 4860.24,3819.89 4860.24,3742.13 v1(4862.2,3740.16) 4865.2,3737.16 C11_U_CAN2.1@4943.85,3737.16 ; R23_U_CAN1.1 v1(4862.2,3129.92) 4863.3,3128.82 4949.69,3128.82 C11_U_CAN1.1 4987.96,3127.72 ; v1(4923.85,4251.97) 4925.63,4250.19 5022.78,4250.19 C12_U_CAN2.1 C10_U_CAN2.1 5230.19,4248.41 U2_U_CAN2.11 ; C11_U_CAN2.1@4943.85,3732.58 C11_U_CAN2.1@4943.85,3737.16 ; 4988.19,3127.95 5023.4,3163.16 C10_U_CAN1.1 5161.19,3163.16 5185.99,3187.96 U2_U_CAN1.20 ; U4_U_CAN2.3 v1(5114.17,3992.92) U2_U_CAN2.16 ; U4_U_CAN1.3 5047.33,3387.88 v1(5114.17,3387.88) 5237.43,3387.88 U2_U_CAN1.16 ; v1(5068.9,3503.94) 5151.62,3503.94 5185.65,3537.96 U2_U_CAN1.13 ; v1(5078.74,4104.33) 5147.06,4104.33 5185.65,4142.92 U2_U_CAN2.13 ; U2_U_CAN2.20 5191.54,3792.92 5166.74,3768.12 C13_U_CAN2.1 5080.21,3734.16 5019.69,3734.16 ; U2_U_CAN1.11 5194.72,3637.96 5169.13,3663.55 C13_U_CAN1.1 C12_U_CAN1.1 5019.69,3734.16 ; C11_U_CAN2.1@4943.85,3737.16 C11_U_CAN2.1 5019.69,3734.16
  Bottom Layer w15: UNIVERSAL1.1 3936.07,4022.99 3936.07,3753.65 4015.5,3674.21 4202.76,3674.21 ; v1(4261.81,4124.02) 4261.81,3994.97 4259.76,3992.92 ; v1(4267.72,3517.72) 4267.72,3387.88 ; v1(4267.72,3870.08) 4267.72,3984.96 4259.76,3992.92 ; v1(4271.65,3267.72) 4271.65,3383.94 4267.72,3387.88 ; v1(4714.57,3257.87) 4714.57,3379.28 4705.97,3387.88 ; v1(4714.57,3517.72) 4714.57,3396.48 4705.97,3387.88 ; v1@4714.57,4124.02 v1(4724.41,4124.02) 4724.41,3992.92 ; v1(4734.25,3868.11) 4734.25,3983.08 4724.41,3992.92 ; v1(4862.2,3129.92) 4862.2,3387.88 ; v1(4862.2,3740.16) 4548.9,3740.16 4506.59,3782.48 4202.76,3782.48 ; v1(4923.85,4251.97) 4845.58,4173.7 4845.58,3992.92 ; v1(5068.9,3503.94) 5114.17,3458.66 v1(5114.17,3387.88) 4862.2,3387.88 ; v1(5078.74,4104.33) 5114.17,4068.9 v1(5114.17,3992.92) 4845.58,3992.92 ; 4202.76,3674.21 4202.76,3782.48 ; 4202.76,3674.21 4202.76,3444.88 4259.76,3387.88 4267.72,3387.88 ; 4202.76,3782.48 4202.76,3976.38 4219.3,3992.92 4259.76,3992.92 ; 4259.76,3992.92 4724.41,3992.92 ; 4267.72,3387.88 4705.97,3387.88 ; 4705.97,3387.88 4862.2,3387.88 ; 4724.41,3992.92 4845.58,3992.92
"Enc Button": P?.4 U1.27 | length 2221.9
  Bottom Layer w19.68: P?.4 3702.76,2549.21 5473.62,2549.21 U1.27
"Enc Channel A": P?.6 U1.25 | length 1585.1
  Bottom Layer w19.68: P?.6 5401.57,2677.17 U1.25
"Enc Channel B": P?.5 U1.26 | length 1915.7
  Bottom Layer w15: P?.5 3818.9,2598.43 5422.83,2598.43 U1.26
GLV+: U11.1 UNIVERSAL1.12 | length 797.6
  Top Layer w62.99: U11.1@3934.84,4786.22 U11.1 4025.59,4783.46 4096.46,4712.6 UNIVERSAL1.12
GLV-: U11.4 UNIVERSAL1.11 | length 669.9
  Top Layer w62.99: U11.4 3994.88,4475.79 3994.88,4400.59 3994.88,4155.79 3994.09,4155 3994.09,4070.2 3994.88,4069.41 3994.88,4051.39 4096.46,3949.82 UNIVERSAL1.11
IMD: R13.1 U1.31 | length 1367
  Top Layer w15: U1.31 6129.53,2805.12 6673.23,2805.12 6936.42,3068.31 R13.1
"Net5V ACTIVE (ISO)_K": "5V ACTIVE (ISO).K" R35.2 | length 100.1
  Top Layer w15: 3660.38,3015.5 3660.38,3115.25 R35.2
"Net5V ACTIVE_K": "5V ACTIVE.K" R34.2 | length 100
  Top Layer w15: 3662.13,3217.56 R34.2
NetAMS_K: AMS.K R2.2 | length 2518.7
  Top Layer w15: v1(6732.28,4714.57) 6734.74,4712.11 6734.74,4206.9 R2.2
  Bottom Layer w15: AMS.K 5226.01,4754.9 6505.32,4754.9 6509.3,4758.88 6546,4758.88 6549.98,4754.9 6691.95,4754.9 v1(6732.28,4714.57)
NetBSPD_K: BSPD.K R4.2 | length 1695.6
  Top Layer w15: R4.2 v1(7201.77,4714.57)
  Bottom Layer w15: v1(7201.77,4714.57) 7515.34,4714.57 BSPD.K
NetC10_U_CAN1_2: C10_U_CAN1.2 C11_U_CAN1.2 C12_U_CAN1.2 C13_U_CAN1.2 U2_U_CAN1.12 U2_U_CAN1.19 | length 1235.1
  Top Layer w15: v1(4940.95,3584.65) C12_U_CAN1.2@5011.81,3584.65 ; C11_U_CAN1.2 v1@5031.5,3237.96 ; C12_U_CAN1.2 C13_U_CAN1.2 5118.9,3587.96 U2_U_CAN1.12 ; v1(5031.5,3238.19) v1@5031.5,3237.96 ; U2_U_CAN1.19 C10_U_CAN1.2 v1@5031.5,3237.96
  Bottom Layer w15: v1(4940.95,3584.65) 5118.11,3584.65 5177.17,3525.59 5177.17,3297.24 5118.11,3238.19 v1(5031.5,3238.19)
NetC10_U_CAN2_2: C10_U_CAN2.2 C11_U_CAN2.2 C12_U_CAN2.2 C13_U_CAN2.2 U2_U_CAN2.12 U2_U_CAN2.19 | length 1295.2
  Top Layer w15: v1(4922.62,4173.61) C12_U_CAN2.2 C10_U_CAN2.2 5166.72,4173.61 5186.03,4192.92 U2_U_CAN2.12 ; C11_U_CAN2.2 4948.32,3842.92 C13_U_CAN2.2 U2_U_CAN2.19
  Bottom Layer w15: v1(4922.62,4173.61) 5128.56,4173.61 5177.17,4125 5177.17,3880.91 5137.8,3841.54 v1(5031.5,3841.54) v1@5027.56,3841.54
NetC18_U_CAN1_2: C18_U_CAN1.2 U2_U_CAN1.15 U3_U_CAN1.4 U4_U_CAN1.1 | length 743.6
  Top Layer w15: C18_U_CAN1.2 U3_U_CAN1.4 4593.22,3441.02 4609.05,3425.2 U4_U_CAN1.1 4981.27,3437.96 U2_U_CAN1.15
NetC18_U_CAN2_2: C18_U_CAN2.2 U2_U_CAN2.15 U3_U_CAN2.4 U4_U_CAN2.1 | length 741.9
  Top Layer w15: C18_U_CAN2.2 U3_U_CAN2.4 4599.75,4030.32 U4_U_CAN2.1 4977.17,4042.92 U2_U_CAN2.15
NetC19_U_CAN1_2: C19_U_CAN1.2 U2_U_CAN1.17 U3_U_CAN1.3 U4_U_CAN1.2 | length 743.2
  Top Layer w15: C19_U_CAN1.2 U3_U_CAN1.3 4591.43,3350.39 U4_U_CAN1.2 4980.94,3337.96 U2_U_CAN1.17
NetC19_U_CAN2_2: C19_U_CAN2.2 U2_U_CAN2.17 U3_U_CAN2.3 U4_U_CAN2.2 | length 736.4
  Top Layer w15: C19_U_CAN2.2 U3_U_CAN2.3 4596.24,3955.52 U4_U_CAN2.2 4977.17,3942.92 U2_U_CAN2.17
NetC20_2: C20.2 D2.K U9.1 | length 465.8
  Top Layer w15: U9.1 3237.52,3734.33 C20.2
  Top Layer w62.99: U9.1 3209.65,3734.33 3209.65,3629.92 3276.57,3562.99 D2.K D2.K@3359.25,3562.99
NetD1_A: D1.A D3.K D6.K D9.A D11.K D12.A R9.1 | length 4746.2
  Top Layer w15: D1.A 3692.71,5216.54 3814.96,5216.54 ; D3.K 3811.12,5212.7 3814.96,5216.54 ; R9.1 4372.98,4846.13 4467.8,4940.94 4590.55,4940.94 4707.32,5057.71 4707.32,5148.26 ; D6.K 5066.25,5232.6 5066.93,5233.29 ; D9.A 5689.57,5228.76 5685.04,5233.29 ; D11.K 6697.91,5226.47 6704.72,5233.29 ; D12.A 6794.87,5233.29 6704.72,5233.29 ; 3814.96,5216.54 3844.49,5246.06 4609.51,5246.06 4707.32,5148.26 ; 4707.32,5148.26 4792.34,5233.29 5066.93,5233.29 ; 5066.93,5233.29 5685.04,5233.29 ; 5685.04,5233.29 6704.72,5233.29
NetD1_K: D1.K D3.A D4.K D5.A D8.K D10.A R8.1 | length 3412.2
  Top Layer w15: D1.K 3496.48,5027.15 3531.28,4992.34 3881.89,4992.34 ; D3.A 3885.92,4996.37 3881.89,4992.34 ; D4.K 4125.77,4992.34 ; R8.1 4275.59,4988.4 4271.65,4992.34 ; D5.A 4515.22,5023.09 v1(4484.47,4992.34) 4271.65,4992.34 ; D8.K v1(5453.19,5188.54) ; v1(5913.39,5188.98) 6000.75,5101.61 D10.A ; 3881.89,4992.34 4125.77,4992.34 ; 4125.77,4992.34 4271.65,4992.34
  Bottom Layer w15: v1(4484.47,4992.34) 4686.84,5194.71 5447.02,5194.71 v1@5452.76,5188.98 ; v1(5453.19,5188.54) v1@5452.76,5188.98 ; v1(5913.39,5188.98) v1@5452.76,5188.98
NetD2_A: D2.A F1.2 | length 198.5
  Top Layer w62.99: F1.2@3532.48,3759.84 3536.42,3755.91 D2.A
NetD4_A: D4.A D5.K D6.A D9.K D13.K D14.A R10.1 | length 4331.5
  Top Layer w15: D4.A 4204.51,5091.17 4259.01,5145.67 v1(4319.88,5145.67) 4324.8,5140.75 4394.78,5140.75 D5.K ; R10.1 v1(4479.28,4889.76) 4602.36,4889.76 4740.16,5027.56 5140.36,5027.56 5141.05,5028.25 ; D6.A 5141.05,5028.25 ; D9.K 5764.37,4945.08 5764.57,4944.88 ; D13.K 7320.27,5001.37 7318.9,5000 ; D14.A 7462.78,5000 7318.9,5000 ; 5141.05,5028.25 5143.01,5030.21 5228.35,4944.88 5764.57,4944.88 ; 5764.57,4944.88 7263.78,4944.88 7318.9,5000
  Bottom Layer w15: v1(4319.88,5145.67) 4318.9,5144.69 4416.34,5047.24 4416.34,4939.87 4466.44,4889.76 v1(4479.28,4889.76)
NetD8_A: D8.A D10.K D11.A D12.K D13.A D14.K R15.1 | length 4174.2
  Top Layer w15: R15.1 4578.74,4799.21 4755.91,4976.38 v1(5106.3,4976.38) ; v1(5286.14,5003.25) 5287.77,5003.25 D8.A ; D10.K 6080.1,5098.43 v1(6196.85,5098.43) ; D11.A v1(6623.11,5180.04) ; D12.K v1(7133.86,5093.87) D13.A ; D14.K 7634.31,5093.87 v1(7721.55,5181.1)
  Bottom Layer w15: v1(5106.3,4976.38) 5114.17,4976.38 5141.73,5003.94 6102.36,5003.94 v1(6196.85,5098.43) 6279.53,5181.1 v1@6622.05,5181.1 ; v1(6623.11,5180.04) v1@6622.05,5181.1 ; v1(7133.86,5093.87) 7133.86,5181.1 ; v1(7721.55,5181.1) 7133.86,5181.1 ; v1@6622.05,5181.1 7133.86,5181.1
NetF1_1: F1.1 U11.2 | length 930.8
  Top Layer w62.99: F1.1 3548.23,4355.31 3442.91,4460.63 3442.91,4724.91 3501.47,4783.46 U11.2
NetIMD_K: IMD.K R3.2 | length 1358.7
  Top Layer w15: v1(6968.5,4712.72) 6971.16,4710.07 6971.16,4049.63 R3.2
  Bottom Layer w15: IMD.K@6448.79,5094.49 IMD.K 6824.08,4712.72 v1(6968.5,4712.72)
NetPDOC_K: PDOC.K R1.2 | length 3670.1
  Top Layer w15: R1.2 6528.32,4418.08 6527.65,4418.75 v1(6527.65,4714.57)
  Bottom Layer w15: PDOC.K 3693.1,4714.57 v1(6527.65,4714.57)
NetQ1_B: Q1.B R11.2 | length 196.5
  Top Layer w15: R11.2 Q1.B
NetQ1_C: Q1.C R1.1 | length 195
  Top Layer w15: R1.1 6528.32,4341.22 Q1.C
NetQ2_B: Q2.B R12.2 | length 196.5
  Top Layer w15: R12.2 Q2.B
NetQ2_C: Q2.C R2.1 | length 194.6
  Top Layer w15: Q2.C R2.1
NetQ3_B: Q3.B R13.2 | length 196.5
  Top Layer w15: R13.2 Q3.B
NetQ3_C: Q3.C R3.1 | length 194.6
  Top Layer w15: Q3.C R3.1
NetQ4_B: Q4.B R14.2 | length 196.9
  Top Layer w15: R14.2 7164.37,3326.2 Q4.B
NetQ4_C: Q4.C R4.1 | length 194.6
  Top Layer w15: Q4.C R4.1
NetR23_U_CAN1_2: R23_U_CAN1.2 U2_U_CAN1.18 | length 377.9
  Top Layer w15: R23_U_CAN1.2 5231.28,3294.2 U2_U_CAN1.18
NetR23_U_CAN2_2: R23_U_CAN2.2 U2_U_CAN2.18 | length 382.5
  Top Layer w15: R23_U_CAN2.2 4860.75,3899.14 5231.98,3899.14 5231.98,3896.65 U2_U_CAN2.18
PDOC: R11.1 U1.29 | length 1510.4
  Top Layer w15: U1.29 6015.6,2891.19 6345.91,2891.19 6490.91,3036.19 R11.1
pads on no net: P?.2 U1.0 U1.1 U1.2 U1.3 U1.4 U1.7 U1.9 U1.10 U1.11 U1.12 U1.13 U1.14 U1.17 U1.18 U1.19 U1.24 U1.28 U1.33 U1.34 U1.35 U1.36 U1.38 U1.39 U1.40 U1.41 U1.42 U1.43 U1.45 U1.46 U1.47 U1.48 U2_U_CAN1.2 U2_U_CAN1.14 U2_U_CAN2.2 U2_U_CAN2.14 UNIVERSAL1.0 UNIVERSAL1.6 UNIVERSAL1.7 UNIVERSAL1.8 UNIVERSAL1.9 UNIVERSAL1.10

## Polygon pours and split planes (outlines as drawn)
"0V (ISO)" on Top Layer "Top Layer-0V (ISO)" (solid, remove dead copper, pour order 24): 2814.96,5393.7 2814.96,4940.94 4070.87,4940.94 4200.57,4811.24 4200.57,4459.67 4309.84,4350.39 5462.6,4350.39 5462.6,3036.19 3868.68,3036.19 3755.26,3149.61 2814.96,3149.61 2814.96,2338.58 8425.2,2338.58 8425.2,5393.7
"0V (ISO)" on Top Layer "Top Layer-0V (ISO) 1" (solid, remove dead copper, pour order 40): 3072.84,5253.51 3072.84,2627.95 2066.93,2627.95 2066.93,5098.43 1732.82,5432.53
0V on Top Layer "Top Layer-0V" (solid, remove dead copper, pour order 22): 3733.89,4886.23 3733.89,3204.82 3111.35,3204.82 3111.35,4886.23
no net on Top Layer "Top Layer-No Net" (solid, remove dead copper, pour order 2): 4724.41,1476.38
"0V (ISO)" on Bottom Layer "Bottom Layer-0V (ISO)" (solid, remove dead copper, pour order 26): 2814.96,5393.7 2814.96,4940.94 4069.88,4940.94 4202.76,4808.07 4202.76,4460.8 4303.32,4360.24 5463.58,4360.24 5463.58,3041.34 3863.23,3041.34 3754.96,3149.61 2815.04,3149.61 2814.96,2338.58 8425.2,2338.58 8425.2,5393.7
"0V (ISO)" on Bottom Layer "Bottom Layer-0V (ISO) 1" (solid, remove dead copper, pour order 32): 2815.59,5212.6 3103.82,5212.6 3103.82,1853.82 2992.13,1742.13 2352.36,2381.89 2352.36,4812.99 2283.46,4881.89
0V on Bottom Layer "Bottom Layer-0V" (solid, remove dead copper, pour order 28): 3100.28,4915.4 3776.57,4915.4 3733.1,4871.92 3733.1,3208.66 3100.43,3208.66

## Keep-outs
Keep-Out Layer:
  lines w10: 2814.96,2522.15 2814.96,5196.85 cw(c3011.81,5196.85) 3011.81,5393.7 8228.35,5393.7 cw(c8228.35,5196.85) 8425.2,5196.85 ; 2814.96,2535.43 ccw(c3011.81,2535.43) 3011.81,2338.58 8228.35,2338.58 ; 2862.93,2402.24 ccw(c3007.87,2535.43) 3007.87,2338.58 ; 8373.29,2402.24 cw(c8228.35,2535.43) 8228.35,2338.58 ; 8425.2,5210.16 8425.2,2535.43 cw(c8228.35,2535.43) 8228.35,2338.58

## Other copper
Top Layer:
  region: 8262.88,3816.2 8262.88,3866.2 8127.88,3866.2 8127.88,3816.2
  pour cut-out: 3701.77,3704.72 3701.77,4122.05 3418.31,4122.05 3418.31,3704.72
  text "Dash Ver. 2" at 8297.88,3680.02 h40 r90
  text "19/11/19 - P.M.C" at 8332.88,3603.26 h40 r90
  text "Formula SAE" at 8262.88,3436.2 h70 r90
  text "Team Swinburne" at 8207.88,2996.2 h120 r90
Bottom Layer:
  region: 8262.88,3816.2 8262.88,3866.2 8127.88,3866.2 8127.88,3816.2
  region: 4389.76,2736.22
  text "Dash Ver. 2" at 8297.88,3680.02 h40 r90
  text "19/11/19 - P.M.C" at 8332.88,3603.26 h40 r90
  text "Formula SAE" at 8262.88,3436.2 h70 r90
  text "Team Swinburne" at 8207.88,2996.2 h120 r90

## Silkscreen, mask and mechanical layers (free items; w line width, h text height)
Top Overlay:
  drawing of 74 lines, arcs and shapes, not listed
  text "CAN2" at 5985.24,4155.51 h60 r270
  text "Dash Ver. 2" at 8297.88,3680.02 h40 r90
  text "19/11/19 - P.M.C" at 8332.88,3603.26 h40 r90
  text "CAN1" at 5989.17,3528.54 h60 r270
  text "Formula SAE" at 8262.88,3436.2 h70 r90
  text "Team Swinburne" at 8207.88,2996.2 h120 r90
  text "DISCO STU'S / CAN'T STOP THE LEARNIN'  / DISCO ACADEMIES" at 6566.77,2870.09 h60

## Dimensions
3011.81,5393.7 to 3011.81,2338.58 on Drill Drawing
2814.96,5196.85 to 8425.2,5210.16 on Drill Drawing